# Altium PCB 10515.0462_全联供主板(2拼版)_V1.0.PcbDoc (part 13 of 18) (continued)
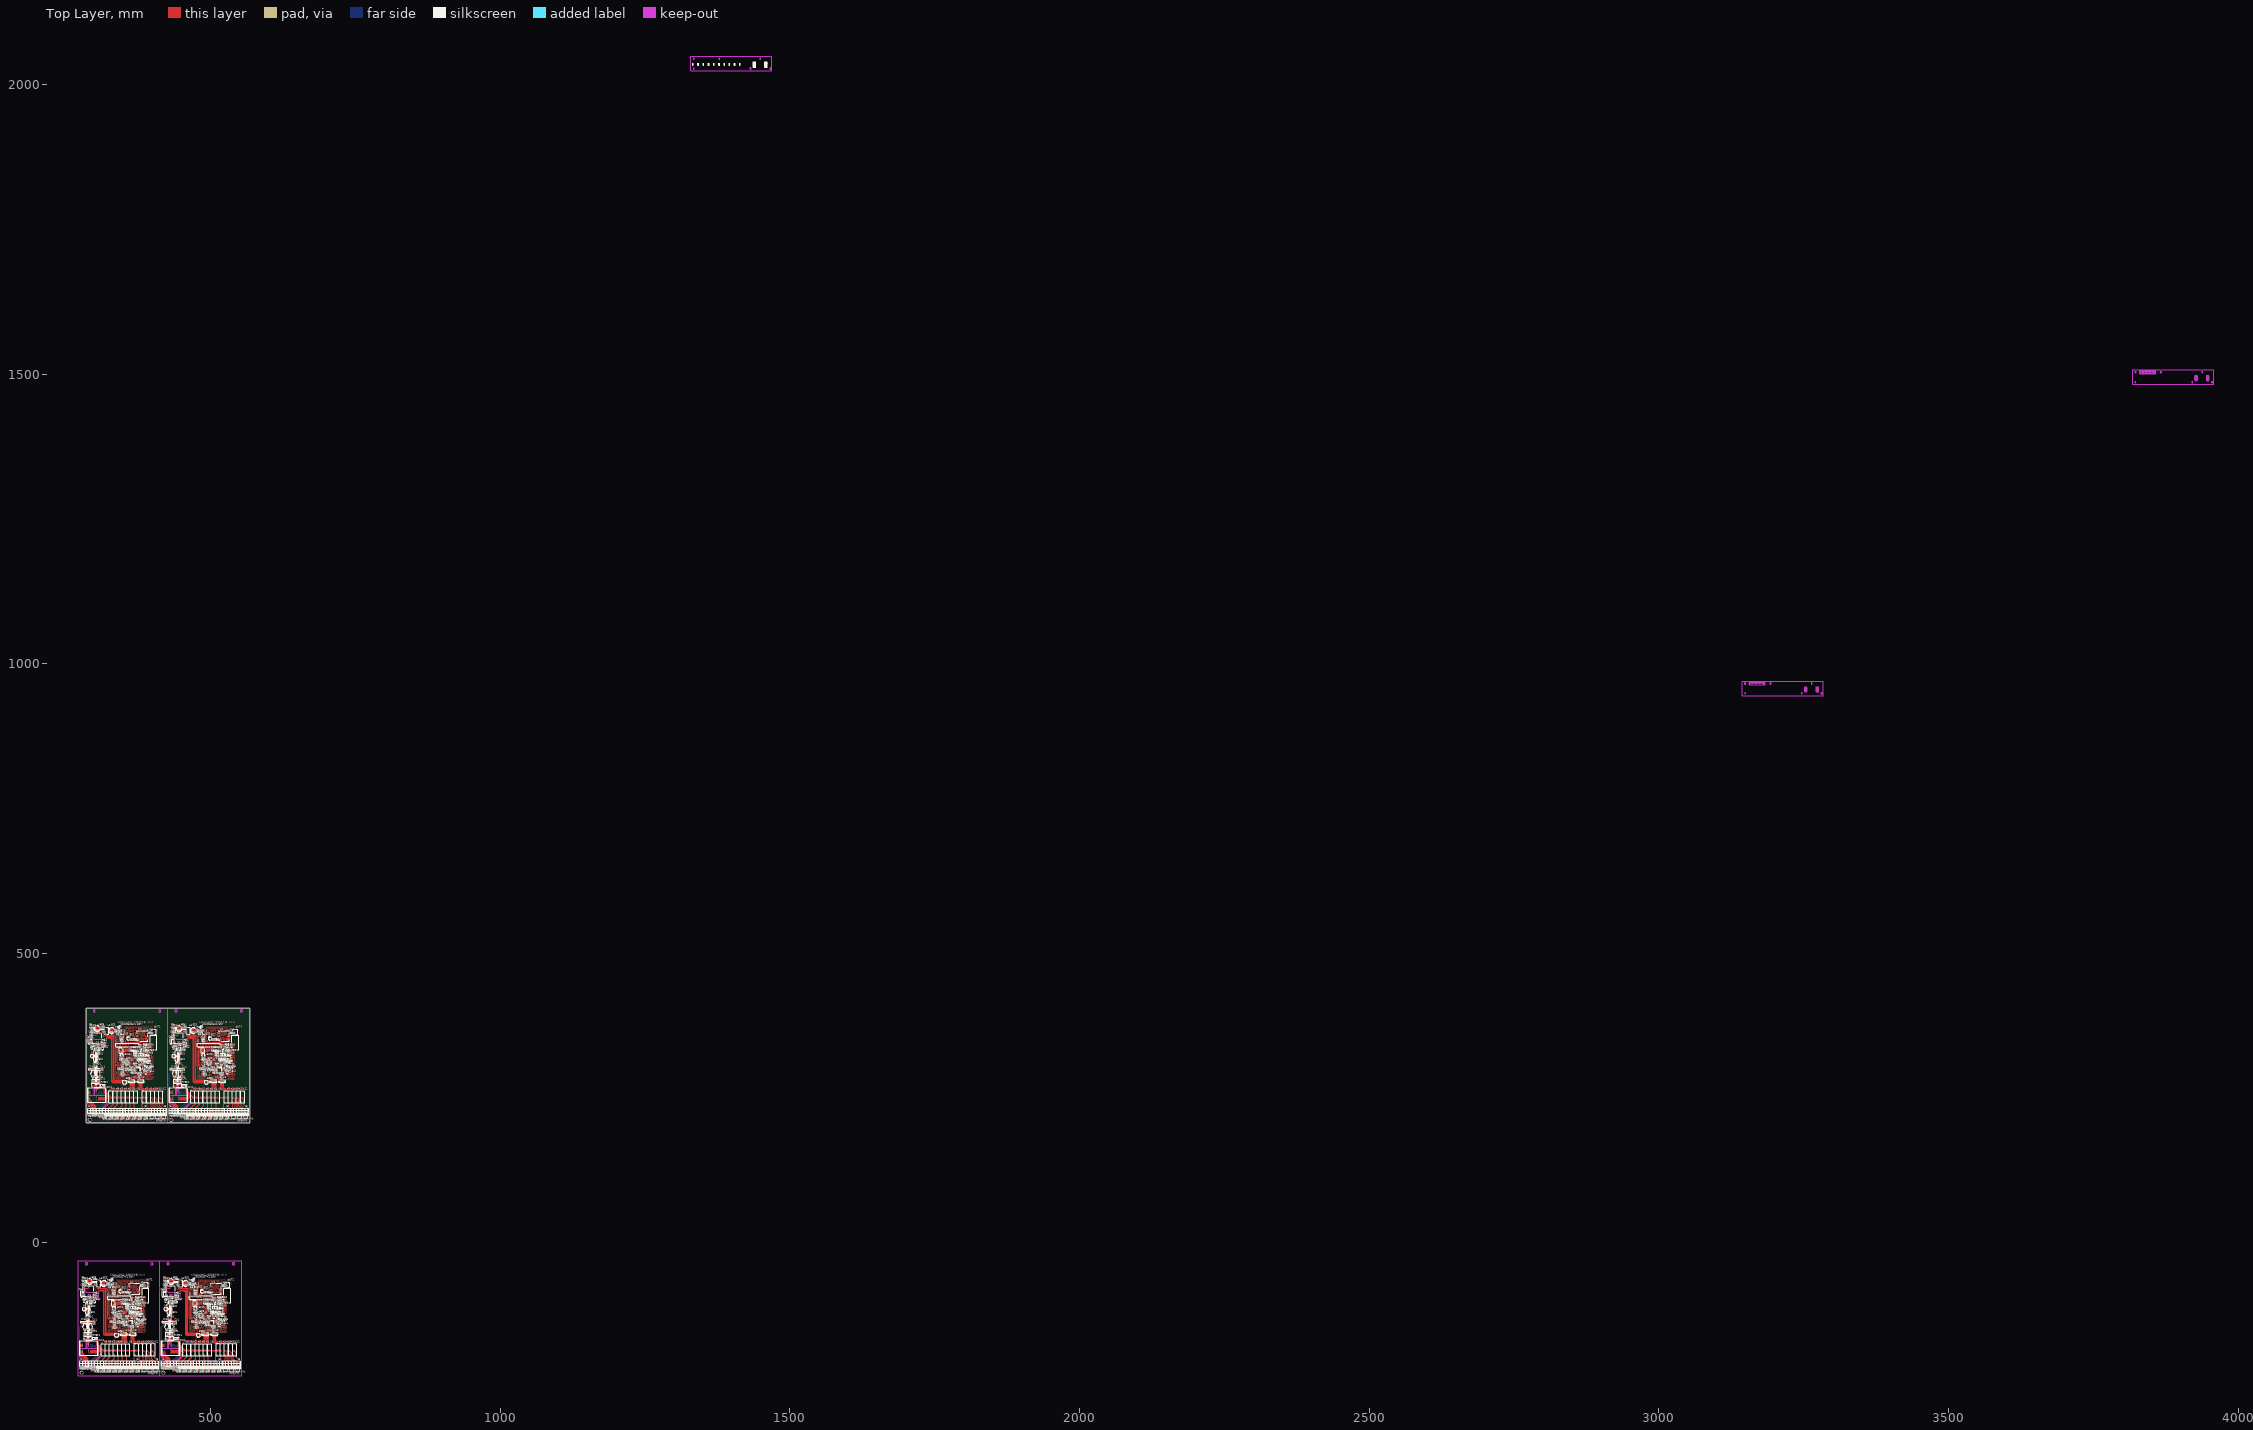
[diagram p0: Top Layer view]
## Nets (pads, with @x,y where several pads share a name; then routed paths per layer and width w, separated by ;. In a path a pad name is that pad's centre, name@x,y a point inside that pad or via, vN(x,y) a via of type N, cw(c..) or ccw(c..) an arc to the next point about the centre after c; other vN are vias at no path point) (continued)
434.604,-133.63 ; 431.89,-62.383 429.339,-64.934 428.762,-64.934 ; 432.58,299.282 cw(c432.58,301.884) 430.74,300.044 ; 432.699,-147.977 cw(c432.699,-151.647) 435.294,-149.052 ; 432.699,-147.727 433.969,-147.727 435.112,-148.87 435.112,-151.664 435.112,-156.465 433.352,-158.225 433.352,-164.566 ; 432.728,-140.479 ccw(c433.133,-136.985) 435.62,-139.472 ; 432.785,-147.962 cw(c433.382,-149.584) 434.604,-148.362 ; 432.886,300.933 ccw(c432.886,297.898) 430.74,300.044 ; 432.993,262.198 429.31,262.198 428.294,261.182 428.294,239.084 436.104,231.274 ; 433.023,-103.601 438.611,-103.601 ; 433.175,-164.14 ccw(c429.479,-160.444) 434.706,-160.444 ; 433.207,-105.055 434.477,-105.055 432.699,-103.277 432.699,-107.214 ; 433.352,-164.066 ccw(c433.352,-162.859) 434.205,-163.713 ; 433.374,258.261 433.356,258.279 429.927,258.279 ; 433.461,-213.398 cw(c436.375,-213.398) 434.315,-211.338 ; 433.461,-103.601 ccw(c433.461,-99.86) 436.106,-102.505 ; 433.628,248.482 434.771,247.339 434.771,244.291 ; 433.961,-218.816 433.961,-217.45 ; 434.059,-102.505 ccw(c436.704,-99.86) 436.704,-103.601 ; 434.527,-156.692 ccw(c433.113,-155.278) 435.112,-155.278 ; 434.652,369.508 434.652,372.068 ; 434.652,375.497 437.319,375.497 438.183,374.633 438.183,370.848 ; 434.678,366.053 438.177,366.053 ; 434.706,-156.871 434.706,-163.212 433.352,-164.566 ; 434.771,242.386 435.279,242.386 442.645,235.02 ; 435.186,343.066 437.909,343.066 ; 435.279,301.06 439.216,304.997 440.613,304.997 440.613,304.743 436.803,300.933 431.629,300.933 430.74,300.044 ; 435.489,297.294 ccw(c438.328,300.133) 438.328,296.118 ; 435.821,321.242 437.946,321.242 ; 435.821,324.242 439.029,324.242 440.306,325.518 440.306,327.973 440.306,327.11 437.438,324.242 ; 435.93,298.266 434.517,298.266 ; 436.21,-102.497 ccw(c438.611,-100.438) 438.611,-103.601 ; 437.438,225.368 437.438,231.177 428.766,239.849 428.766,257.118 ; v1(437.947,310.139) 440.717,310.139 ; 437.954,343.112 437.954,346.49 438.234,346.769 ; 437.954,345.974 cw(c439.029,345.974) 438.269,346.734 ; 438.183,360.82 438.183,366.048 ; 438.2,288.74 438.2,284.931 438.2,279.724 ; 438.571,370.529 cw(c441.303,367.798) 441.303,371.661 ; 438.726,274.05 ccw(c439.579,274.903) 439.579,273.696 ; 438.795,-164.491 438.72,-164.566 ; 438.961,-210.984 438.961,-208.439 452.671,-194.729 452.671,-192.812 ; 439.516,319.672 cw(c437.73,317.886) 440.256,317.886 ; 439.684,-138.71 ccw(c438.023,-137.048) 440.319,-136.551 ; 439.752,326.556 ccw(c438.534,327.773) 440.256,327.773 ; 440.008,-102.204 438.611,-103.601 ; 440.168,233.814 440.168,233.683 441.02,232.831 441.02,226.301 441.71,225.611 ; 440.306,318.586 440.306,318.882 437.946,321.242 ; 440.356,317.486 ccw(c443.824,317.486) 441.372,315.034 ; 440.573,-186.675 440.573,-186.462 ; 441.629,284.931 445.312,284.931 ; 441.97,-219.314 442.426,-218.858 ; 442.138,-186.675 443.875,-184.938 ; 443.05,-185.763 441.272,-185.763 ; 443.157,-186.462 440.573,-186.462 ; 443.211,-81.208 ccw(c444.675,-79.744) v1@444.675,-81.814 ; v1@443.514,-81.199 444.129,-81.814 446.542,-81.814 453.781,-81.814 ; 443.546,310.108 443.546,312.86 440.306,316.1 440.306,317.686 440.306,320.164 439.227,321.242 437.946,321.242 ; 443.875,-169.825 443.875,-164.491 ; 443.915,303.854 444.804,302.965 ; 443.927,304.158 cw(c443.927,302.347) 445.207,303.628 ; 443.961,-218.656 443.961,-217.323 ; 443.961,-210.984 443.961,-217.323 ; 444.054,304.908 445.996,302.965 ; 444.128,264.906 439.579,269.455 ; 444.128,266.049 443.089,267.088 ; 444.402,260.146 443.089,261.459 443.089,264.357 ; 444.453,-82.138 ccw(c444.637,-81.953) 444.637,-82.214 ; 444.486,251.34 444.994,250.832 454.9,250.832 ; 444.55,247.339 457.294,247.339 ; 444.677,302.965 445.742,302.965 ; 444.763,250.981 444.763,250.555 445.398,249.92 456.573,249.92 459.431,252.778 ; 444.88,-174.905 444.88,-174.016 ; 444.89,250.981 445.693,251.784 ; 444.931,251.784 458.437,251.784 ; 444.944,-73.666 cw(c442.467,-76.143) 445.971,-76.143 ; 445.306,327.222 446.582,325.946 446.582,318.962 445.306,317.686 445.306,327.973 ; 445.306,334.109 445.306,327.973 ; 445.356,327.773 ccw(c446.806,327.773) 445.78,326.748 ; 445.439,248.609 457.211,248.609 461.695,253.093 ; 445.488,302.965 448.233,302.965 ; 445.519,374.212 442.967,371.661 442.391,371.661 ; 446.328,288.618 cw(c446.328,284.949) 448.923,287.544 ; 446.328,288.868 447.598,288.868 448.741,287.725 448.741,284.931 448.741,280.131 446.98,278.37 446.98,272.029 ; 446.357,296.117 ccw(c446.762,299.61) 449.249,297.123 ; 446.414,288.634 cw(c447.01,287.011) 448.233,288.234 ; 446.437,-183.944 447.031,-184.537 ; 446.652,332.994 452.24,332.994 ; 446.804,272.456 ccw(c443.108,276.152) 448.334,276.152 ; 446.836,331.54 448.106,331.54 446.328,333.318 446.328,329.381 ; 446.923,-179.477 446.288,-178.842 ; 446.98,272.529 ccw(c446.98,273.736) 447.834,272.883 ; 447.006,-182.779 446.923,-182.696 445.802,-183.817 ; 447.09,223.197 cw(c450.004,223.197) 447.943,225.258 ; 447.09,332.994 ccw(c447.09,336.735) 449.735,334.09 ; 447.094,-183.966 454.543,-183.966 ; 447.304,-79.274 445.971,-77.94 ; 447.59,217.779 447.59,219.145 ; 447.688,334.09 ccw(c450.333,336.735) 450.333,332.994 ; 448.155,279.904 ccw(c446.742,281.317) 448.741,281.317 ; 448.334,279.724 448.334,273.383 446.98,272.029 ; 448.657,-186.252 455.051,-186.252 ; 448.955,-183.966 443.665,-189.256 ; 448.961,-210.984 448.961,-206.694 459.856,-195.799 459.856,-192.939 ; 449.574,-182.255 447.453,-182.255 ; 449.839,334.098 ccw(c452.24,336.157) 452.24,332.994 ; 449.971,-183.966 449.971,-184.938 445.653,-189.256 444.764,-189.256 ; 450.098,-182.779 448.066,-180.747 ; 451.484,-185.065 516.508,-185.065 ; 452.424,272.104 452.348,272.029 ; 452.59,225.611 452.59,228.156 466.3,241.866 466.3,243.783 ; 452.671,-186.252 455.051,-186.252 ; 452.765,-185.827 452.765,-185.7 ; 452.765,-183.541 447.05,-189.256 444.764,-189.256 ; 452.777,-186.008 cw(c455.054,-188.285) 455.054,-185.065 ; 453.063,-183.966 448.066,-178.969 ; 453.288,-185.065 cw(c453.288,-185.788) 453.998,-185.656 ; 453.313,297.886 ccw(c451.651,299.547) 453.948,300.044 ; 453.637,334.391 452.24,332.994 ; 453.961,-218.585 453.961,-217.536 ; 453.961,-210.984 453.961,-217.323 ; 454.202,249.92 454.202,250.133 ; 454.83,-186.252 455.051,-186.252 ; 454.83,-183.966 453.204,-182.34 ; 455.599,217.282 456.054,217.737 ; 455.767,249.92 457.504,251.657 ; 456.575,-158.014 458.226,-159.665 474.99,-159.665 477.271,-161.946 478.92,-161.946 475.609,-158.635 458.734,-158.635 457.38,-157.281 457.38,-156.871 ; 456.678,250.832 454.9,250.832 ; 456.702,-186.252 456.702,-185.838 453.204,-182.34 ; 456.786,250.133 454.202,250.133 ; 456.84,355.388 ccw(c458.303,356.851) v1@458.303,354.781 ; v1@457.143,355.397 457.758,354.781 460.171,354.781 467.41,354.781 ; 457.362,-153.703 457.362,-82.982 456.194,-81.814 454.67,-81.814 ; 457.362,-84.354 454.822,-81.814 454.67,-81.814 ; 457.38,-157.803 457.38,-156.871 ; 457.38,-153.712 457.38,-155.855 ; 457.464,-158.776 456.448,-157.76 456.448,-84.862 453.781,-82.195 453.781,-81.814 ; 457.473,-185.065 cw(c457.473,-188.285) 459.75,-186.008 ; 457.504,266.77 457.504,272.104 ; 457.59,217.939 457.59,219.272 ; 457.59,225.611 457.59,219.272 ; 458.082,354.458 ccw(c458.266,354.642) 458.266,354.381 ; 458.509,261.69 458.509,262.579 ; 458.573,362.93 cw(c456.095,360.452) 459.599,360.452 ; 458.961,-210.984 458.961,-204.396 462.914,-200.443 463.433,-200.443 ; 458.961,-204.916 463.433,-200.443 ; 459.962,-186.008 cw(c462.239,-188.285) 462.239,-185.065 ; 460.066,252.651 460.659,252.058 ; 460.16,-158.635 457.38,-155.855 ; 460.552,257.118 459.917,257.753 ; 460.635,253.816 460.552,253.899 459.431,252.778 ; 460.723,252.629 468.172,252.629 ; 460.933,357.321 459.599,358.655 ; 461.655,-156.617 459.623,-154.585 459.623,-81.052 ; 462.286,250.343 468.68,250.343 ; 462.584,252.629 457.294,247.339 ; 462.59,225.611 462.59,229.901 473.485,240.796 473.485,243.656 ; 463.052,-200.332 467.016,-196.368 ; 463.202,254.341 461.082,254.341 ; 463.6,252.629 463.6,251.657 459.282,247.339 458.393,247.339 ; 463.727,253.816 461.695,255.848 ; 463.961,-218.618 463.961,-217.323 ; 463.961,-210.984 463.961,-217.323 ; 464.633,-185.065 cw(c464.633,-188.285) 466.91,-186.008 ; 465.113,251.53 530.137,251.53 ; 466.1,-219.462 465.496,-218.858 ; 466.3,250.343 468.68,250.343 ; 466.394,250.768 466.394,250.895 ; 466.394,253.054 460.679,247.339 458.393,247.339 ; 466.406,250.587 cw(c468.683,248.311) 468.683,251.53 ; 466.692,252.629 461.695,257.626 ; 466.917,251.53 cw(c466.917,250.808) 467.627,250.94 ; 467.016,-192.939 467.016,-196.368 ; 467.122,-186.008 cw(c469.399,-188.285) 469.399,-185.065 ; 467.59,218.01 467.59,219.06 ; 467.59,225.611 467.59,219.272 ; 468.459,250.343 468.68,250.343 ; 468.459,252.629 466.833,254.255 ; 468.961,-210.984 468.961,-204.982 474.175,-199.768 474.175,-193.066 ; 470.204,278.581 471.855,276.93 488.619,276.93 490.9,274.649 492.549,274.649 489.238,277.96 472.363,277.96 471.009,279.315 471.009,279.724 ; 470.331,250.343 470.331,250.757 466.833,254.255 ; 470.991,282.892 470.991,353.614 469.823,354.781 468.299,354.781 ; 470.991,352.241 468.451,354.781 468.299,354.781 ; 471.009,278.793 471.009,279.724 ; 471.009,282.884 471.009,280.74 ; 471.093,277.819 470.077,278.835 470.077,351.733 467.41,354.4 467.41,354.781 ; 471.102,251.53 cw(c471.102,248.311) 473.379,250.587 ; 471.793,-185.065 cw(c471.793,-188.285) 474.069,-186.008 ; 472.59,225.611 472.59,232.199 476.542,236.152 477.062,236.152 ; 472.59,231.68 477.062,236.152 ; 473.591,250.587 cw(c475.868,248.311) 475.868,251.53 ; 473.789,277.96 471.009,280.74 ; 473.961,-218.778 473.961,-217.323 ; 473.961,-210.984 473.961,-217.323 ; 474.282,-186.008 cw(c476.558,-188.285) 476.558,-185.065 ; 475.284,279.978 473.252,282.01 473.252,355.543 ; 476.681,236.264 480.645,240.227 ; 477.59,217.977 477.59,219.272 ; 477.59,225.611 477.59,219.272 ; 478.262,251.53 cw(c478.262,248.311) 480.539,250.587 ; 478.952,-185.065 cw(c478.952,-188.285) 481.229,-186.008 ; 478.961,-210.984 478.961,-203.745 481.335,-201.371 481.335,-193.066 ; 479.729,217.133 479.125,217.737 ; 480.645,243.656 480.645,240.227 ; 480.751,250.587 cw(c483.027,248.311) 483.027,251.53 ; 481.441,-186.008 cw(c483.718,-188.285) 483.718,-185.065 ; 482.59,225.611 482.59,231.613 487.804,236.828 487.804,243.529 ; 483.961,-218.778 483.961,-217.254 ; 483.961,-210.984 483.961,-217.196 ; 485.421,251.53 cw(c485.421,248.311) 487.698,250.587 ; 486.112,-185.065 cw(c486.112,-188.285) 488.389,-186.008 ; 487.59,217.817 487.59,219.272 ; 487.59,225.611 487.59,219.272 ; 487.91,250.587 cw(c490.187,248.311) 490.187,251.53 ; 488.495,-210.518 488.495,-193.193 ; 488.495,-208.652 ccw(c491.294,-208.652) 489.315,-210.631 ; 488.601,-186.008 cw(c490.878,-188.285) 490.878,-185.065 ; 491.754,-219.53 492.426,-218.858 ; 492.581,251.53 cw(c492.581,248.311) 494.858,250.587 ; 492.59,225.611 492.59,232.85 494.964,235.224 494.964,243.529 ; 493.214,-185.065 cw(c493.214,-188.285) 495.491,-186.008 ; 493.961,-218.844 493.961,-217.323 ; 493.961,-210.984 493.961,-217.323 ; 495.07,250.587 cw(c497.347,248.311) 497.347,251.53 ; 495.597,-193.252 495.597,-203.744 498.961,-207.108 498.961,-210.984 ; 495.703,-186.008 cw(c497.98,-188.285) 497.98,-185.065 ; 496.072,-219.434 495.496,-218.858 ; 497.59,217.817 497.59,219.342 ; 497.59,225.611 497.59,219.399 ; 499.741,251.53 cw(c499.741,248.311) 502.017,250.587 ; 502.124,226.077 502.124,243.402 ; 502.124,227.944 ccw(c504.923,227.944) 502.943,225.965 ; 502.23,250.587 cw(c504.506,248.311) 504.506,251.53 ; 503.961,-218.712 503.961,-217.465 ; 503.961,-210.984 503.961,-217.196 ; 505.383,217.066 506.054,217.737 ; 506.843,251.53 cw(c506.843,248.311) 509.12,250.587 ; 507.59,217.751 507.59,219.272 ; 507.59,225.611 507.59,219.272 ; 508.38,-185.065 cw(c508.38,-187.851) 510.35,-185.881 ; 508.961,-210.984 508.961,-194.02 510.296,-192.685 ; 508.961,-195.733 510.456,-194.238 510.456,-192.812 ; 508.961,-194.62 510.456,-193.125 ; 509.226,243.343 509.226,232.851 512.59,229.487 512.59,225.611 ; 509.332,250.587 cw(c511.609,248.311) 511.609,251.53 ; 509.602,-193.979 cw(c510.456,-194.832) 510.456,-193.625 ; 509.701,217.161 509.125,217.737 ; 510.562,-185.881 cw(c512.532,-187.851) 512.532,-185.065 ; 513.961,-210.984 513.961,-217.132 ; 515.492,-185.065 cw(c515.492,-187.851) 517.462,-185.881 ; 516.714,-185.271 ccw(c517.568,-184.418) 517.568,-185.625 ; 517.421,-185.806 ccw(c516.508,-185.998) 516.508,-185.065 ; 517.568,-192.812 517.568,-201.966 518.961,-203.359 518.961,-210.984 ; 517.59,217.883 517.59,219.131 ; 517.59,225.611 517.59,219.399 ; 522.009,251.53 cw(c522.009,248.744) 523.979,250.714 ; 522.59,225.611 522.59,242.575 523.925,243.91 ; 522.59,240.862 524.085,242.358 524.085,243.783 ; 522.59,241.975 524.085,243.47 ; 523.231,242.617 cw(c524.085,241.763) 524.085,242.97 ; 524.019,-210.758 ccw(c522.408,-209.146) 524.687,-209.146 ; 524.191,250.714 cw(c526.161,248.744) 526.161,251.53 ; 524.687,-210.797 524.687,-192.939 ; 524.687,-186.125 526.746,-186.125 528.364,-187.743 528.364,-203.491 529.373,-204.5 529.373,-211.111 ; 527.59,225.611 527.59,219.463 ; 529.121,251.53 cw(c529.121,248.744) 531.091,250.714 ; 530.343,251.324 ccw(c531.197,252.178) 531.197,250.97 ; 531.05,250.79 ccw(c530.137,250.597) 530.137,251.53 ; 531.197,243.783 531.197,234.629 532.59,233.236 532.59,225.611 ; 531.799,-192.939 531.799,-202.227 534.373,-204.801 534.373,-211.111 ; 531.799,-186.625 cw(c531.799,-187.832) 532.653,-186.979 ; 531.799,-186.125 534.968,-189.294 534.968,-199.935 539.373,-204.34 539.373,-211.111 ; 537.648,225.838 ccw(c536.037,227.449) 538.316,227.449 ; 538.316,225.798 538.316,243.656 ; 538.316,250.47 540.374,250.47 541.993,248.852 541.993,233.104 543.002,232.095 543.002,225.484 ; 539.038,-192.812 539.038,-199.433 544.373,-204.768 544.373,-211.111 ; 539.038,-186.625 cw(c539.038,-190.962) 542.105,-187.895 ; 539.038,-186.125 540.335,-186.125 543.604,-189.394 ; 539.104,-186.61 cw(c539.895,-188.211) 541.158,-186.948 ; 543.604,-189.256 543.604,-197.522 549.373,-203.291 549.373,-211.111 ; 545.428,243.656 545.428,234.368 548.002,231.794 548.002,225.484 ; 545.428,249.97 cw(c545.428,248.763) 546.281,249.617 ; 545.428,250.47 548.597,247.301 548.597,236.66 553.002,232.255 553.002,225.484 ; 552.667,243.783 552.667,237.162 558.002,231.827 558.002,225.484 ; 552.667,249.97 cw(c552.667,245.633) 555.734,248.7 ; 552.667,250.47 553.963,250.47 557.233,247.201 ; 552.733,249.986 cw(c553.524,248.384) 554.787,249.647 ; 557.233,247.339 557.233,239.073 563.002,233.304 563.002,225.484 ; 274.137,-179.477 275.298,-178.316 ; 276.111,-136.551 276.873,-137.313 280.285,-137.313 283.699,-140.727 282.286,-140.727 279.888,-138.329 ; 276.111,-136.551 277.889,-138.329 279.888,-138.329 ; 279.571,-196.812 278.11,-195.352 278.11,-187.564 278.999,-186.675 278.999,-196.241 279.571,-196.812 ; 279.571,-196.812 287.081,-204.323 287.081,-210.984 ; 280.142,-192.304 288.016,-200.178 288.016,-201.575 ; 280.142,-192.304 280.142,-195.479 287.081,-202.418 287.081,-210.984 ; 281.476,-205.321 282.081,-205.927 282.081,-210.984 281.476,-210.379 281.476,-205.321 ; 283.554,-65.748 284.126,-66.32 288.016,-66.32 ; 283.554,-65.748 284.368,-64.934 287.762,-64.934 ; 283.571,-156.871 283.571,-162.02 284.951,-163.399 ; 283.571,-156.871 284.951,-158.25 284.951,-163.399 ; 284.951,-167.14 283.698,-165.888 283.698,-164.745 284.951,-163.492 284.951,-163.399 ; 284.951,-167.14 284.951,-165.997 ; 284.951,-165.997 288.461,-169.507 ; 284.951,-165.997 284.951,-163.399 ; 284.951,-163.399 284.951,-164.473 289.499,-169.022 ; 287.081,-210.984 288.016,-210.049 288.016,-201.575 ; 287.762,-64.934 289.402,-64.934 290.81,-63.526 ; 287.766,257.118 288.927,258.279 ; 288.016,-66.32 289.667,-66.32 290.81,-65.177 290.81,-63.526 ; 288.016,-66.32 290.81,-63.526 ; 288.461,-172.238 288.461,-173.444 289.499,-174.483 ; 288.461,-172.238 288.461,-169.507 ; 289.499,-176.175 290.937,-177.613 290.937,-178.08 291.064,-177.953 291.064,-173.635 ; 289.499,-176.175 291.064,-174.61 291.064,-173.635 ; 289.499,-176.175 289.499,-169.022 ; 289.499,-176.175 289.499,-174.483 ; 289.499,-174.483 290.429,-173.553 290.429,-169.952 ; 289.499,-169.022 290.429,-169.952 ; 289.74,300.044 290.502,299.282 293.914,299.282 297.328,295.868 295.915,295.868 293.517,298.266 ; 289.74,300.044 291.518,298.266 293.517,298.266 ; 290.429,-169.952 291.064,-170.587 291.064,-173.635 ; 290.677,-108.622 290.677,-108.236 291.699,-107.214 ; 291.699,-107.214 294.747,-104.166 297.046,-104.166 297.611,-103.601 ; 292.352,-164.566 293.292,-165.507 296.779,-165.507 297.72,-164.566 ; 292.352,-164.566 297.72,-164.566 ; 292.961,-217.45 295.12,-219.609 ; 292.961,-217.45 292.961,-216.561 ; 292.961,-216.561 292.961,-210.984 292.961,-210.6 292.461,-211.1 292.461,-218.339 293.731,-219.609 295.12,-219.609 ; 292.961,-216.561 295.258,-218.858 301.426,-218.858 ; 293.199,239.783 291.739,241.243 291.739,249.031 292.628,249.92 292.628,240.354 293.199,239.783 ; 293.199,239.783 300.71,232.273 300.71,225.611 ; 293.604,-133.63 296.398,-133.63 299.319,-136.551 ; 293.604,-133.63 294.747,-133.63 297.668,-136.551 299.319,-136.551 ; 293.771,244.291 301.645,236.417 301.645,235.02 ; 293.771,244.291 293.771,241.116 300.71,234.178 300.71,225.611 ; 295.104,231.274 295.71,230.669 295.71,225.611 295.104,226.216 295.104,231.274 ; 295.12,-219.609 305.247,-219.609 ; 297.183,370.848 297.755,370.275 301.645,370.275 ; 297.183,370.848 297.996,371.661 301.391,371.661 ; 297.2,279.724 297.2,274.575 298.579,273.196 ; 297.2,279.724 298.579,278.345 298.579,273.196 ; 298.579,269.455 297.327,270.707 297.327,271.85 298.579,273.103 298.579,273.196 ; 298.579,269.455 298.579,270.598 ; 298.579,270.598 302.089,267.088 ; 298.579,270.598 298.579,273.196 ; 298.579,273.196 298.579,272.122 303.128,267.573 ; 299.319,-136.551 299.319,-137.821 298.684,-138.456 293.97,-138.456 291.699,-140.727 293.365,-140.727 294.62,-139.472 297.922,-139.472 299.446,-137.948 299.446,-136.678 299.319,-136.551 ; 299.573,-186.462 300.272,-185.763 ; 300.71,225.611 301.645,226.546 301.645,235.02 ; 301.391,371.661 303.03,371.661 304.439,373.069 ; 301.426,-218.858 302.961,-217.323 ; 301.426,-218.858 304.496,-218.858 ; 301.645,370.275 303.296,370.275 304.439,371.418 304.439,373.069 ; 301.645,370.275 304.439,373.069 ; 302.089,264.357 302.089,263.151 303.128,262.112 ; 302.089,264.357 302.089,267.088 ; 302.665,-189.256 303.764,-189.256 ; 302.875,-176.556 302.875,-173.299 ; 302.875,-176.556 303.002,-176.683 303.129,-176.683 305.288,-178.842 ; 302.875,-176.556 302.875,-174.778 ; 302.875,-176.556 307.066,-180.747 ; 302.875,-174.778 307.066,-178.969 ; 302.875,-174.778 302.875,-173.299 ; 302.875,-173.299 302.875,-164.491 ; 302.875,-164.491 303.88,-165.496 303.88,-174.016 ; 302.961,-217.323 304.496,-218.858 ; 303.128,260.42 304.566,258.982 304.566,258.515 304.693,258.642 304.693,262.96 ; 303.128,260.42 304.693,261.985 304.693,262.96 ; 303.128,260.42 303.128,267.573 ; 303.128,260.42 303.128,262.112 ; 303.128,262.112 304.058,263.042 304.058,266.643 ; 303.128,267.573 304.058,266.643 ; 303.88,-174.016 312.204,-182.34 ; 304.058,266.643 304.693,266.008 304.693,262.96 ; 304.121,-76.353 304.121,-78.361 305.034,-79.274 316.845,-79.274 318.623,-81.052 ; 304.121,-76.353 304.121,-73.489 304.971,-74.338 304.971,-76.48 ; 304.121,-76.353 304.121,-77.091 304.971,-77.94 ; 304.306,327.973 304.306,328.359 305.328,329.381 ; 304.496,-218.858 311.638,-218.858 ; 304.496,-218.858 305.247,-219.609 ; 304.802,-183.817 304.891,-183.817 306.453,-182.255 ; 304.971,-77.94 304.971,-76.48 ; 304.971,-76.48 304.971,-76.67 306.812,-78.512 317.734,-78.512 318.623,-79.401 318.623,-81.052 ; 305.247,-219.609 320.675,-219.609 ; 305.288,-178.842 306.453,-180.007 306.453,-182.255 ; 305.328,329.381 308.376,332.429 310.675,332.429 311.24,332.994 ; 305.98,272.029 306.921,271.088 310.408,271.088 311.348,272.029 ; 305.98,272.029 311.348,272.029 ; 306.59,219.145 308.749,216.986 ; 306.59,219.145 306.59,220.034 ; 306.59,220.034 306.59,225.611 306.59,225.995 306.09,225.495 306.09,218.256 307.36,216.986 308.749,216.986 ; 306.59,220.034 308.887,217.737 315.054,217.737 ; 307.066,-183.502 307.066,-180.62 ; 307.066,-183.502 309.761,-183.502 310.484,-182.779 308.325,-180.62 307.066,-180.62 ; 307.066,-180.747 307.066,-180.62 ; 307.066,-180.62 307.066,-178.969 ; 307.233,302.965 310.027,302.965 312.948,300.044 ; 307.233,302.965 308.376,302.965 311.297,300.044 312.948,300.044 ; 308.749,216.986 318.876,216.986 ; 311.638,-218.858 312.961,-217.536 ; 311.638,-218.858 314.496,-218.858 ; 312.781,-81.814 313.67,-81.814 ; 312.948,300.044 312.948,298.774 312.313,298.139 307.599,298.139 305.328,295.868 306.994,295.868 308.249,297.123 311.551,297.123 313.075,298.647 313.075,299.917 312.948,300.044 ; 312.961,-217.536 312.961,-217.323 ; 312.961,-217.323 314.496,-218.858 ; 313.202,250.133 313.9,250.832 ; 314.051,-186.252 318.856,-186.252 326.016,-186.252 333.175,-186.252 340.335,-186.252 347.495,-186.252 354.597,-186.252 354.724,-186.125 369.456,-186.125 376.568,-186.125 375.508,-185.065 ; 314.496,-218.858 321.426,-218.858 ; 315.054,217.737 316.59,219.272 ; 315.054,217.737 318.125,217.737 ; 316.294,247.339 317.393,247.339 ; 316.38,-156.871 316.38,-155.855 ; 316.504,260.039 316.504,263.296 ; 316.504,260.039 316.631,259.912 316.758,259.912 318.917,257.753 ; 316.504,260.039 316.504,261.817 ; 316.504,260.039 320.695,255.848 ; 316.504,261.817 320.695,257.626 ; 316.504,261.817 316.504,263.296 ; 316.504,263.296 316.504,272.104 ; 316.504,272.104 317.509,271.1 317.509,262.579 ; 316.59,219.272 318.125,217.737 ; 317.509,262.579 325.833,254.255 ; 317.75,360.242 317.75,358.234 318.663,357.321 330.474,357.321 332.252,355.543 ; 317.75,360.242 317.75,363.106 318.599,362.257 318.599,360.115 ; 317.75,360.242 317.75,359.504 318.599,358.655 ; 318.125,217.737 325.267,217.737 ; 318.125,217.737 318.876,216.986 ; 318.431,252.778 318.519,252.778 320.082,254.341 ; 318.599,358.655 318.599,360.115 ; 318.599,360.115 318.599,359.925 320.441,358.083 331.363,358.083 332.252,357.194 332.252,355.543 ; 318.876,216.986 334.304,216.986 ; 318.917,257.753 320.082,256.588 320.082,254.341 ; 320.675,-219.609 360.548,-219.609 ; 320.675,-219.609 321.426,-218.858 ; 320.695,253.093 320.695,255.975 ; 320.695,253.093 323.39,253.093 324.113,253.816 321.954,255.975 320.695,255.975 ; 320.695,255.848 320.695,255.975 ; 320.695,255.975 320.695,257.626 ; 321.426,-218.858 324.496,-218.858 ; 321.426,-218.858 322.961,-217.323 ; 322.433,-200.443 326.016,-196.861 326.016,-196.368 ; 322.961,-217.323 324.496,-218.858 ; 324.496,-218.858 331.426,-218.858 ; 325.267,217.737 326.59,219.06 ; 325.267,217.737 328.125,217.737 ; 326.41,354.781 327.299,354.781 ; 326.59,219.06 326.59,219.272 ; 326.59,219.272 328.125,217.737 ; 327.68,250.343 332.485,250.343 339.645,250.343 346.804,250.343 353.964,250.343 361.124,250.343 368.226,250.343 368.353,250.47 383.085,250.47 390.197,250.47 389.137,251.53 ; 328.125,217.737 335.054,217.737 ; 330.009,279.724 330.009,280.74 ; 331.426,-218.858 334.496,-218.858 ; 331.426,-218.858 332.961,-217.323 ; 332.961,-217.323 334.496,-218.858 ; 334.304,216.986 374.177,216.986 ; 334.304,216.986 335.054,217.737 ; 334.496,-218.858 341.356,-218.858 ; 335.054,217.737 338.125,217.737 ; 335.054,217.737 336.59,219.272 ; 336.062,236.152 339.645,239.735 339.645,240.227 ; 336.59,219.272 338.125,217.737 ; 338.125,217.737 345.054,217.737 ; 341.356,-218.858 344.623,-218.858 ; 341.356,-218.858 342.961,-217.254 ; 342.961,-217.254 342.961,-217.196 ; 342.961,-217.196 344.623,-218.858 ; 344.623,-218.858 351.426,-218.858 ; 345.054,217.737 348.125,217.737 ; 345.054,217.737 346.59,219.272 ; 346.59,219.272 348.125,217.737 ; 348.125,217.737 354.985,217.737 ; 351.426,-218.858 354.496,-218.858 ; 351.426,-218.858 352.961,-217.323 ; 352.961,-217.323 354.496,-218.858 ; 354.496,-218.858 361.299,-218.858 ; 354.985,217.737 358.252,217.737 ; 354.985,217.737 356.59,219.342 ; 356.59,219.342 356.59,219.399 ; 356.59,219.399 358.252,217.737 ; 358.252,217.737 365.054,217.737 ; 360.548,-219.609 365.105,-219.609 ; 360.548,-219.609 361.299,-218.858 ; 361.299,-218.858 364.355,-218.858 ; 361.299,-218.858 362.961,-217.196 ; 362.961,-217.465 362.961,-217.196 ; 362.961,-217.465 364.355,-218.858 ; 364.355,-218.858 371.235,-218.858 372.961,-217.132 ; 364.355,-218.858 365.105,-219.609 ; 365.054,217.737 368.125,217.737 ; 365.054,217.737 366.59,219.272 ; 365.105,-219.609 371.963,-219.609 372.961,-218.611 372.961,-217.132 ; 366.59,219.272 368.125,217.737 ; 368.125,217.737 374.927,217.737 ; 374.177,216.986 378.734,216.986 ; 374.177,216.986 374.927,217.737 ; 374.927,217.737 377.983,217.737 ; 374.927,217.737 376.59,219.399 ; 376.59,219.131 376.59,219.399 ; 376.59,219.131 377.983,217.737 ; 377.983,217.737 384.864,217.737 386.59,219.463 ; 377.983,217.737 378.734,216.986 ; 378.734,216.986 385.592,216.986 386.59,217.984 386.59,219.463 ; 415.137,-179.477 416.298,-178.316 ; 417.111,-136.551 417.873,-137.313 421.285,-137.313 424.699,-140.727 423.286,-140.727 420.888,-138.329 ; 417.111,-136.551 418.889,-138.329 420.888,-138.329 ; 420.571,-196.812 419.11,-195.352 419.11,-187.564 419.999,-186.675 419.999,-196.241 420.571,-196.812 ; 420.571,-196.812 428.081,-204.323 428.081,-210.984 ; 421.142,-192.304 429.016,-200.178 429.016,-201.575 ; 421.142,-192.304 421.142,-195.479 428.081,-202.418 428.081,-210.984 ; 422.476,-205.321 423.081,-205.927 423.081,-210.984 422.476,-210.379 422.476,-205.321 ; 424.554,-65.748 425.126,-66.32 429.016,-66.32 ; 424.554,-65.748 425.368,-64.934 428.762,-64.934 ; 424.571,-156.871 424.571,-162.02 425.951,-163.399 ; 424.571,-156.871 425.951,-158.25 425.951,-163.399 ; 425.951,-167.14 424.698,-165.888 424.698,-164.745 425.951,-163.492 425.951,-163.399 ; 425.951,-167.14 425.951,-165.997 ; 425.951,-165.997 429.461,-169.507 ; 425.951,-165.997 425.951,-163.399 ; 425.951,-163.399 425.951,-164.473 430.499,-169.022 ; 428.081,-210.984 429.016,-210.049 429.016,-201.575 ; 428.762,-64.934 430.402,-64.934 431.81,-63.526 ; 428.766,257.118 429.927,258.279 ; 429.016,-66.32 430.667,-66.32 431.81,-65.177 431.81,-63.526 ; 429.016,-66.32 431.81,-63.526 ; 429.461,-172.238 429.461,-173.444 430.499,-174.483 ; 429.461,-172.238 429.461,-169.507 ; 430.499,-176.175 431.937,-177.613 431.937,-178.08 432.064,-177.953 432.064,-173.635 ; 430.499,-176.175 432.064,-174.61 432.064,-173.635 ; 430.499,-176.175 430.499,-169.022 ; 430.499,-176.175 430.499,-174.483 ; 430.499,-174.483 431.429,-173.553 431.429,-169.952 ; 430.499,-169.022 431.429,-169.952 ; 430.74,300.044 431.502,299.282 434.914,299.282 438.328,295.868 436.915,295.868 434.517,298.266 ; 430.74,300.044 432.518,298.266 434.517,298.266 ; 431.429,-169.952 432.064,-170.587 432.064,-173.635 ; 431.677,-108.622 431.677,-108.236 432.699,-107.214 ; 432.699,-107.214 435.747,-104.166 438.046,-104.166 438.611,-103.601 ; 433.352,-164.566 434.292,-165.507 437.779,-165.507 438.72,-164.566 ; 433.352,-164.566 438.72,-164.566 ; 433.961,-217.45 436.12,-219.609 ; 433.961,-217.45 433.961,-216.561 ; 433.961,-216.561 433.961,-210.984 433.961,-210.6 433.461,-211.1 433.461,-218.339 434.731,-219.609 436.12,-219.609 ; 433.961,-216.561 436.258,-218.858 442.426,-218.858 ; 434.199,239.783 432.739,241.243 432.739,249.031 433.628,249.92 433.628,240.354 434.199,239.783 ; 434.199,239.783 441.71,232.273 441.71,225.611 ; 434.604,-133.63 437.398,-133.63 440.319,-136.551 ; 434.604,-133.63 435.747,-133.63 438.668,-136.551 440.319,-136.551 ; 434.771,244.291 442.645,236.417 442.645,235.02 ; 434.771,244.291 434.771,241.116 441.71,234.178 441.71,225.611 ; 436.104,231.274 436.71,230.669 436.71,225.611 436.104,226.216 436.104,231.274 ; 436.12,-219.609 446.247,-219.609 ; 438.183,370.848 438.755,370.275 442.645,370.275 ; 438.183,370.848 438.996,371.661 442.391,371.661 ; 438.2,279.724 438.2,274.575 439.579,273.196 ; 438.2,279.724 439.579,278.345 439.579,273.196 ; 439.579,269.455 438.327,270.707 438.327,271.85 439.579,273.103 439.579,273.196 ; 439.579,269.455 439.579,270.598 ; 439.579,270.598 443.089,267.088 ; 439.579,270.598 439.579,273.196 ; 439.579,273.196 439.579,272.122 444.128,267.573 ; 440.319,-136.551 440.319,-137.821 439.684,-138.456 434.97,-138.456 432.699,-140.727 434.365,-140.727 435.62,-139.472 438.922,-139.472 440.446,-137.948 440.446,-136.678 440.319,-136.551